# Altium PCB GameBoard_V1I1_Phase1.PcbDoc (part 9 of 18)
Units mm, origin at the board's own origin, x right, y up, seen from the top; angles counter-clockwise.
Board outline 182 x 70.2 mm, 12 copper layers (L1, L2, L3, L4, L5 (PWR), L6 (PWR), L7 (PWR), L8 (PWR), L9, L10, L11, L12), stack 2.079 mm thick; 1542 components, 1068 nets, 5447 pads, 3805 vias.
Unrouted connection lines stored in the file: 2.
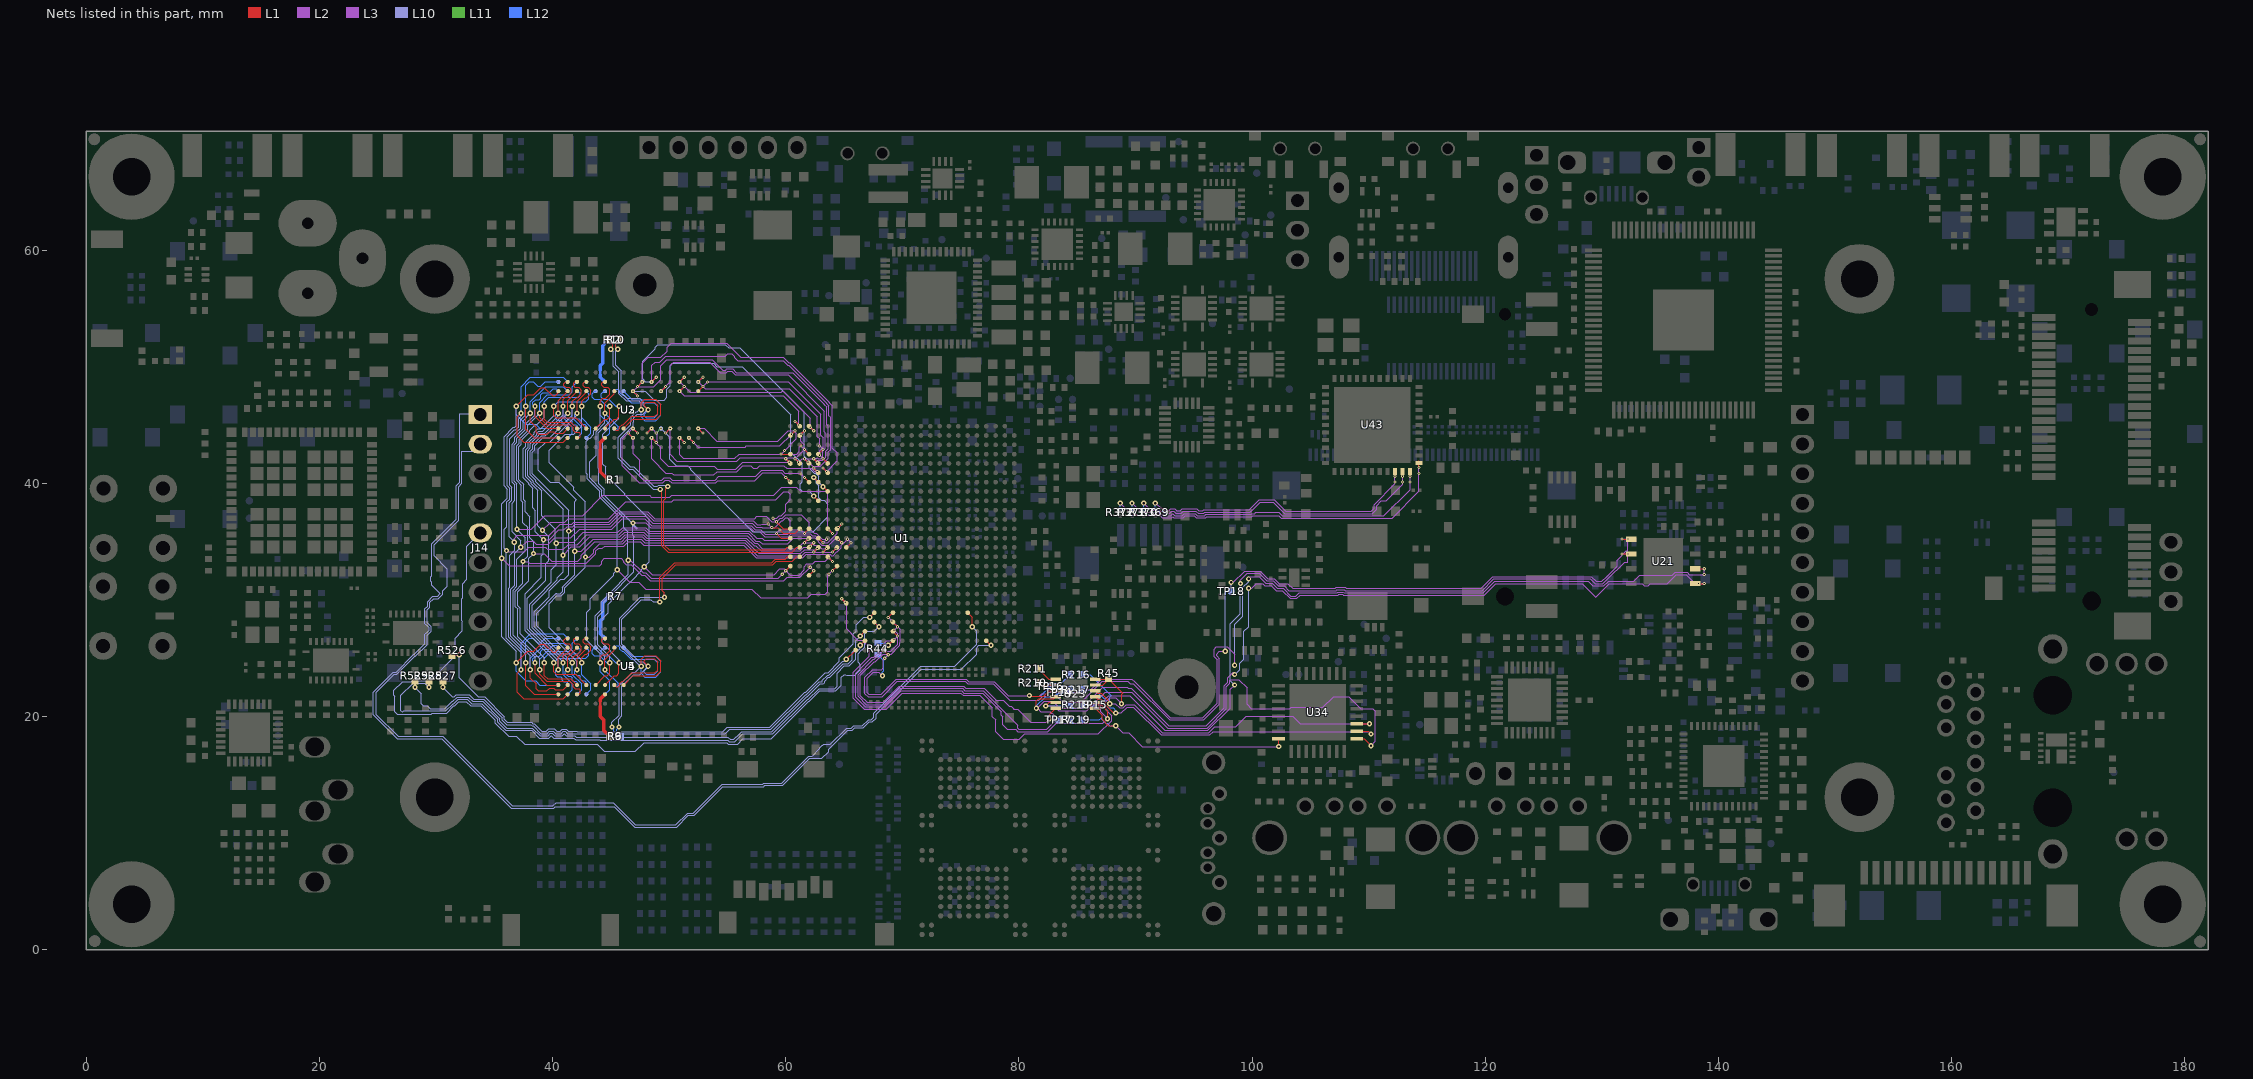
[diagram p19: the nets of this part, all layers, seen from the top]

## Via types
v1: diameter 0.45, hole 0.2, L1 to L12, 1937 vias
v2: diameter 0.45, hole 0.2, L1 to L12, tented both sides, 1004 vias
v3: diameter 0.27, hole 0.1, L1 to L2, 337 vias
v4: diameter 0.27, hole 0.1, L2 to L3, 335 vias
v5: diameter 0.27, hole 0.1, L10 to L11, 96 vias
v6: diameter 0.27, hole 0.1, L11 to L12, 94 vias
v7: diameter 0.27, hole 0.1, L3 to L5 (PWR), 2 vias

## Nets (pads, with @x,y where several pads share a name; then routed paths per layer and width w, separated by ;. In a path a pad name is that pad's centre, name@x,y a point inside that pad or via, vN(x,y) a via of type N, cw(c..) or ccw(c..) an arc to the next point about the centre after c; other vN are vias at no path point) (continued)
CSPI1_CS1: J14.5 U1.T22 | length 71.1
  L1 w0.1: U1.T22@67.6,28.1 v2(68,27.7)
  L10 w0.1: J14.5@33.8,35.74 32.65,34.59 32.65,31.75 32.3,31.4 32.3,30.2 32.2,30.1 32.2,28.213 32.275,28.138 32.275,27.355 31.64,26.721 31.64,25.775 31.479,25.613 31.479,25.04 29.507,23.068 27.965,23.068 27.877,22.98 27.146,22.98 26.4,22.234 26.4,21.83 26.475,21.755 26.475,20.425 26.7,20.2 29.583,20.2 29.673,20.289 30.376,20.289 30.383,20.282 30.931,20.282 31.548,20.9 31.604,20.9 31.979,21.275 32.621,21.275 32.996,20.9 33.866,20.9 35.103,19.663 35.103,19.425 36.228,18.3 36.9,18.3 37.6,17.6 43.817,17.6 44.417,17 47.104,17 47.872,17.768 54.956,17.768 55.085,17.639 55.873,17.639 56.334,18.1 58.766,18.1 61.956,21.289 62.024,21.289 62.938,22.204 64.281,22.204 64.775,22.697 64.775,23.366 65.009,23.6 65.17,23.6 65.245,23.525 65.925,23.525 66.4,24 66.4,24.455 66.2,24.655 66.2,25.383 66.542,25.725 66.555,25.725 66.775,25.945 66.775,27.075 67,27.3 67.6,27.3 v2(68,27.7)
CSPI1_MISO: J14.2 U1.F21 | length 94.5
  L1 w0.093: U1.F21@75.6,28.9 76,28.5 v2(76,27.7)
  L10 w0.093: J14.2@33.8,43.36 33.14,42.7 32.189,42.7 32.189,39.962 31.907,39.68 31.907,36.804 29.8,34.697 29.8,33.826 30.95,32.676 30.95,31.148 30.535,30.734 30.535,30.426 30.174,30.064 29.766,30.064 29.436,29.734 29.436,29.326 29.207,29.098 29.207,28.091 29.565,27.734 29.565,27.266 29.207,26.909 29.207,26.115 28.195,25.103 28.152,25.103 26.619,23.57 26.399,23.57 24.845,22.016 24.845,20.199 26.751,18.293 30.58,18.293 36.544,12.329 40.03,12.329 40.309,12.607 45.215,12.607 47.115,10.707 50.58,10.707 51.58,11.707 52.08,11.707 54.54,14.167 58.021,14.167 58.13,14.276 59.66,14.276 61.978,16.593 62.266,16.593 62.929,17.256 62.929,17.304 63.146,17.522 63.194,17.522 63.273,17.6 63.827,17.6 65.238,19.01 65.642,19.01 65.842,19.21 66.583,19.21 67.101,19.729 67.354,19.729 67.572,19.946 67.572,20.254 67.563,20.263 71.6,24.3 74.5,24.3 76.4,26.2 76.4,27.3 v2(76,27.7)
CSPI1_MOSI: J14.1 U1.D24 | length 96.8
  L1 w0.093: U1.D24@77.2,26.5 v2(77.6,26.1)
  L10 w0.093: J14.1@33.8,45.9 31.996,45.9 31.996,40.042 31.714,39.76 31.714,36.884 29.596,34.767 29.596,33.417 29.607,33.406 29.607,32.032 29.529,31.954 29.529,31.646 29.607,31.568 29.607,31.293 30.342,30.558 30.342,30.506 30.094,30.257 29.686,30.257 29.243,29.814 29.243,29.406 29.014,29.178 29.014,27.985 29.127,27.872 29.154,27.872 29.372,27.654 29.372,27.346 29.154,27.129 29.127,27.129 29.014,27.015 29.014,26.195 28.115,25.296 28.072,25.296 26.539,23.763 26.319,23.763 24.6,22.044 24.6,20.171 26.671,18.1 30.5,18.1 36.464,12.136 40.11,12.136 40.246,12.272 40.439,12.272 45.278,12.272 47.036,10.514 50.66,10.514 51.66,11.514 52.16,11.514 54.62,13.974 58.101,13.974 58.21,14.083 59.74,14.083 62.057,16.4 63.075,16.4 63.672,16.996 63.672,17.171 65.317,18.817 65.722,18.817 65.922,19.017 66.663,19.017 67.181,19.536 67.434,19.536 67.765,19.866 67.765,20.192 71.608,24.035 75.073,24.035 76.39,25.352 76.39,25.917 76.573,26.1 v2(77.6,26.1)
CSPI2_RXD: R529.1 U1.U23 | length 47.6
  L1 w0.093: v2(66.4,26.9) U1.U23@66.8,27.3
  L1 w0.1: v1(28.2,22.5) R529.1@28.2,23.1
  L10 w0.093: v1(28.2,22.5) 28.729,21.971 28.729,21.1 28.9,20.929 29.243,20.929 29.5,20.672 29.505,20.672 29.512,20.679 30.538,20.679 30.545,20.672 30.769,20.672 31.387,21.289 31.443,21.289 31.818,21.664 32.782,21.664 33.157,21.289 34.027,21.289 35.493,19.824 35.493,19.586 36.086,18.993 38.28,18.993 38.93,18.343 39.614,18.343 39.82,18.549 39.98,18.549 40.186,18.343 40.814,18.343 41,18.529 41.186,18.343 41.916,18.343 42.023,18.236 55.039,18.236 55.246,18.028 55.554,18.028 55.772,18.246 55.772,18.272 55.797,18.272 56.219,18.694 58.809,18.694 61.794,21.679 61.862,21.679 62.973,22.789 63.217,22.789 63.335,22.908 63.335,23.034 63.666,23.364 63.792,23.364 64.956,24.529 65.354,24.529 65.7,24.875 65.7,25.5 65.993,25.793 65.993,26.493 v2(66.4,26.9)
CSPI2_TXC: R526.1 U1.T21 | length 45.8
  L1 w0.093: v2(67.2,28.5) U1.T21@67.6,28.9
  L1 w0.1: R526.1@31.4,25.3 v1(32,25.3)
  L10 w0.093: v1(32,25.3) 32,23.301 33.626,21.675 34.187,21.675 35.879,19.984 35.879,19.746 36.125,19.5 38.2,19.5 38.321,19.379 38.44,19.379 39.09,18.728 39.454,18.728 39.66,18.935 40.14,18.935 40.346,18.728 40.654,18.728 40.84,18.915 41.16,18.915 41.346,18.728 42.076,18.728 42.111,18.693 54.593,18.693 54.98,19.08 58.65,19.08 61.635,22.065 61.703,22.065 63.388,23.75 63.632,23.75 64.6,24.719 64.6,25.027 65.8,26.227 65.8,27.1 66.029,27.328 66.029,27.854 66.675,28.5 v2(67.2,28.5)
CSPI2_TXD: R528.1 U1.U24 | length 51.7
  L1 w0.093: v2(66.4,26.1) U1.U24@66.8,26.5
  L1 w0.1: v1(29.4,22.5) R528.1@29.4,23.1
  L10 w0.093: v1(29.4,22.5) 29.028,22.871 28.046,22.871 27,21.825 27,20.5 27.104,20.396 27.158,20.396 27.24,20.479 29.585,20.479 29.592,20.486 30.458,20.486 30.465,20.479 30.849,20.479 31.467,21.096 31.523,21.096 31.898,21.471 32.702,21.471 33.077,21.096 33.947,21.096 35.3,19.744 35.3,19.506 36.006,18.8 38.2,18.8 38.851,18.15 39.694,18.15 39.9,18.356 40.106,18.15 41.836,18.15 41.972,18.014 44.047,18.014 44.089,17.971 55.03,17.971 55.166,17.835 55.634,17.835 56.299,18.501 58.889,18.501 61.874,21.486 61.942,21.486 62.856,22.4 64.2,22.4 64.4,22.6 64.4,23.7 65.036,24.336 65.434,24.336 66.004,24.905 66.004,25.464 66.4,25.861 v2(66.4,26.1)
CSPI2_TXFS: R527.1 U1.V25 | length 41.3
  L1 w0.093: v2(65.2,24.9) U1.V25@66,25.7
  L1 w0.1: v1(30.6,22.5) R527.1@30.6,23.1
  L10 w0.093: v1(30.6,22.5) 31.4,21.7 31.58,21.7 31.738,21.857 32.862,21.857 33.237,21.482 34.107,21.482 35.686,19.904 35.686,19.666 36.059,19.293 38.134,19.293 38.241,19.186 38.36,19.186 39.01,18.536 39.534,18.536 39.74,18.742 40.06,18.742 40.266,18.536 40.734,18.536 40.92,18.722 41.08,18.722 41.266,18.536 41.996,18.536 42.032,18.5 54.8,18.5 55.187,18.887 58.729,18.887 61.715,21.872 61.783,21.872 62.893,22.982 63.137,22.982 63.143,22.988 63.143,23.114 63.586,23.557 63.712,23.557 64.876,24.721 65.022,24.721 v2(65.2,24.9)
CSPI3_1DIR: R211.1 U23.2 | length 1.8
  L1 w0.1: R211.1@81.7,24.1 81.7,24.07 82.57,23.2 U23.2@83.15,23.2
CSPI3_2DIR: R210.1 U23.3 | length 1.5
  L1 w0.1: R210.1@81.7,22.9 81.9,22.7 U23.3@83.15,22.7
CSPI3_CLK: R44.2 R216.2 TP16.1 U21.6 U23.4 | length 103.7
  L1 w0.093: v1(80.9,21.8) 80.972,21.728 82.128,21.728 82.6,22.2 U23.4@83.15,22.2
  L1 w0.1: U21.6@138,32.67 v3(138.775,32.67)
  L3 w0.093: v2(68.3,23.5) 68,23.8 67.526,23.8 66.997,23.27 66.997,22.046 67.142,21.9 68.198,21.9 69.5,23.202 75.498,23.202 75.7,23 77.901,23 79.101,21.8 v1(80.9,21.8) 80.972,21.728 81.754,21.728 81.971,21.946 82.346,21.946 82.472,22.072 85.071,22.072 85.307,22.307 86.173,22.307 87.073,23.207 89.693,23.207 89.889,23.011 93,19.9 95.778,19.9 97,21.122 97,24.868 96.759,25.109 96.759,25.785 96.946,25.971 97.854,25.971 98.5,25.325 v1(98.5,24.4)
  L3 w0.1: v1(99.7,31.8) 99.7,32 100.603,32 101.178,31.425 101.723,31.425 102.152,30.996 102.664,30.996 103.336,30.325 103.755,30.325 104.03,30.6 107.287,30.6 107.362,30.675 107.838,30.675 107.913,30.6 119.817,30.6 120.817,31.6 128.809,31.6 129.209,31.2 130.167,31.2 130.567,31.6 132.749,31.6 133.249,32.1 136.017,32.1 136.287,32.37 137.313,32.37 137.513,32.17 v4(138.775,32.17)
  L10 w0.093: v1(98.5,24.4) 98.5,27.9 99.196,28.597 99.196,31.071 99.7,31.575 v1(99.7,31.8)
  L2 w0.1: v4(138.775,32.17) v3(138.775,32.67)
  L12 w0.093: R44.2@67.9,25.3 68.429,24.771 68.429,23.928 68.3,23.8 v2(68.3,23.5) ; v1(80.9,21.8) 80.972,21.728 81.828,21.728 82.95,22.85 83.65,22.85 R216.2@84.4,23.6
CSPI3_CLK_R: R44.1 U1.P24 | length 1.5
  L1 w0.1: v2(68.8,26.1) U1.P24@69.2,26.5
  L12 w0.1: R44.1@67.9,26.3 68.6,26.3 v2(68.8,26.1)
CSPI3_CS0: R219.2 TP17.1 U1.P21 U23.7 | length 31.2
  L1 w0.093: v3(68.8,28.5) U1.P21@69.2,28.9 ; v1(82.6,19.8) 82.6,20.15 U23.7@83.15,20.7
  L3 w0.1: v4(69.1,28.2) 69.815,27.485 69.815,26.343 69.8,26.328 69.8,26.1 69.059,25.359 68.355,25.359 67.696,24.7 67.583,24.7 66.4,23.517 66.4,21.799 66.98,21.218 68.36,21.218 69.747,22.605 75.251,22.605 75.453,22.404 77.044,22.404 78.044,21.404 78.654,21.404 79.182,20.875 79.355,20.875 79.575,20.655 79.575,20.625 79.905,20.625 81.005,19.525 82.325,19.525 v1(82.6,19.8) v1@82.47,19.8
  L2 w0.1: v3(68.8,28.5) v4(69.1,28.2)
  L12 w0.1: v1@82.7,19.7 v1(82.6,19.8) 84.3,19.8 R219.2@84.4,19.7
CSPI3_CS2: TP18.1 U1.R25 U21.1 | length 91.4
  L1 w0.093: U1.R25@68.4,25.7 v3(68.8,25.3)
  L1 w0.1: v3(131.725,35.21) U21.1@132.5,35.21
  L3 w0.1: v4(68.5,25) 68.375,24.875 68.375,24.175 68.225,24.025 67.474,24.025 66.8,23.351 66.8,21.964 67.061,21.703 68.279,21.703 69.581,23.005 75.417,23.005 75.619,22.804 77.819,22.804 79.223,21.4 81.703,21.4 82.053,21.75 83.25,21.75 83.8,21.2 85.344,21.2 87.154,23.011 89.334,23.011 89.53,22.814 89.808,22.814 92.919,19.704 95.859,19.704 97.196,21.041 97.196,24.95 96.956,25.19 96.956,25.356 97.2,25.6 v1(97.7,25.6) ; v1(98.2,31.5) 98.387,31.5 99.362,32.475 100.694,32.475 101.344,31.825 101.889,31.825 102.317,31.396 103.073,31.396 103.47,31 107.121,31 107.196,31.075 108.004,31.075 108.079,31 119.651,31 120.651,32 129.1,32 129.5,31.6 130.001,31.6 130.401,32 130.417,32 131.3,32.883 131.3,33.418 132.107,34.225 132.208,34.225 132.225,34.242 v4(132.225,35.21)
  L10 w0.1: v1(97.7,25.6) 97.7,30.6 98.2,31.1 v1(98.2,31.5)
  L2 w0.1: v4(68.5,25) v3(68.8,25.3) ; v3(131.725,35.21) v4(132.225,35.21)
  L12 w0.1: TP18.1@98.2,30.743 v1(98.2,31.5)
CSPI3_MCU_CLK: R216.1 U23.13 U34.19 | length 31.3
  L1 w0.093: U23.13@86.55,22.2 86.763,21.987 87.061,21.987 87.8,21.247 v1(87.8,21.1) ; U34.19@108.975,19.375 v1(110.075,19.375)
  L3 w0.093: v1(87.8,21.1) 88.275,21.1 88.646,20.729 88.954,20.729 89.218,20.993 89.893,20.993 92.275,18.611 96.295,18.611 96.791,19.107 98.58,19.107 99.501,20.028 103.472,20.028 104.125,19.375 v1(110.075,19.375)
  L12 w0.093: R216.1@85.4,23.6 86.1,23.6 87.9,21.8 87.8,21.7 v1(87.8,21.1)
CSPI3_MCU_CS0: R219.1 U23.10 U34.8 | length 21.4
  L1 w0.093: U23.10@86.55,20.7 87.128,20.122 87.128,19.746 87.675,19.2 v1(88.3,19.2) ; v1(102.275,17.425) U34.8@102.275,18.075
  L3 w0.1: v1(88.3,19.2) 88.9,18.6 89.4,18.6 90.596,17.404 102.254,17.404 v1(102.275,17.425)
  L12 w0.1: R219.1@85.4,19.7 86.9,19.7 87.1,19.9 87.125,19.875 87.125,19.745 87.445,19.425 87.575,19.425 87.843,19.157 87.911,19.225 87.937,19.2 v1(88.3,19.2)
CSPI3_MCU_ENn: R45.1 U1.W20 U23.14 U23.15 | length 46.1
  L1 w0.093: v3(64.8,30.1) U1.W20@65.2,29.7 ; U23.14@86.55,22.7 87.2,22.7 R45.1@87.7,23.2 ; U23.15@86.55,23.2 R45.1@87.7,23.2 ; v1(88.8,21.1) 88.8,21.9 88.9,22 R45.1@87.7,23.2
  L3 w0.093: v4(65.1,29.8) 65.228,29.671 65.228,27.549 65.229,27.546 65.619,27.156 65.619,27.083 66.173,26.529 66.57,26.529 67.182,25.917 67.182,25.182 65.8,23.8 65.8,21.555 66.733,20.622 68.607,20.622 69.994,22.009 75.004,22.009 75.206,21.807 76.66,21.807 77.729,20.739 77.729,19.971 78,19.7 78,18.7 78.672,18.029 80.028,18.029 80.5,18.5 86.825,18.5 87.972,19.646 87.972,20.054 87.428,20.597 87.428,21.254 87.646,21.472 87.649,21.472 87.775,21.597 88.303,21.597 v1(88.8,21.1)
  L2 w0.1: v3(64.8,30.1) v4(65.1,29.8)
CSPI3_MCU_MISO: R218.1 U23.6 U34.17 | length 43.9
  L1 w0.093: v1(82.3,20.9) 82.6,21.2 U23.6@83.15,21.2 ; U34.17@108.975,18.075 109.625,18.075 v1(110.2,17.5)
  L3 w0.093: v1(82.3,20.9) 83.039,20.9 83.436,20.503 85.804,20.503 87.4,22.1 89.679,22.1 92.775,19.004 96.132,19.004 97.793,20.665 97.793,22.557 98.096,22.861 98.096,23.095 98.173,23.172 98.854,23.172 99.572,22.454 99.572,21.028 99.925,20.675 103.25,20.675 103.346,20.772 106.071,20.772 107,21.7 108.3,21.7 109.329,20.671 110.354,20.671 110.572,20.454 110.572,17.871 v1(110.2,17.5)
  L12 w0.093: v1(82.3,20.9) 84.1,20.9 84.2,20.8 R218.1@84.4,21
CSPI3_MCU_MOSI: R217.1 U23.12 U34.18 | length 31.1
  L1 w0.093: U23.12@86.55,21.7 86.763,21.487 87.061,21.487 87.428,21.119 87.428,20.946 88.075,20.3 v1(88.3,20.3) ; U34.18@108.975,18.725 109.975,18.725 v1(110.2,18.5)
  L3 w0.093: v1(88.3,20.3) 88.798,20.3 89.298,20.8 89.813,20.8 92.196,18.418 96.375,18.418 96.657,18.7 110,18.7 v1(110.2,18.5)
  L12 w0.093: R217.1@85.4,22.3 86.5,22.3 87.428,21.372 87.428,20.946 87.646,20.729 88.072,20.729 88.3,20.5 v1(88.3,20.3)
CSPI3_MISO: R218.2 TP15.1 U1.P23 U21.2 U23.11 | length 102
  L1 w0.093: U1.P23@69.2,27.3 v3(69.6,26.9) ; U23.11@86.55,21.2 86.763,20.987 87.061,20.987 87.6,20.447 v1(87.6,19.8)
  L1 w0.1: v3(131.725,33.94) U21.2@132.5,33.94
  L3 w0.1: v4(69.3,26.6) 69.03,26.6 68.905,26.475 68.645,26.475 68.425,26.255 68.425,25.995 67.53,25.1 67.4,25.1 65.997,23.697 65.997,21.636 66.815,20.818 68.526,20.818 69.912,22.205 75.086,22.205 75.287,22.004 76.878,22.004 78.482,20.4 78.482,20.117 78.6,19.999 78.6,19.3 79,18.9 79.717,18.9 79.917,18.7 82.47,18.7 83.195,19.425 85.525,19.425 85.55,19.4 87.2,19.4 v1(87.6,19.8) 87,20.4 87,21.103 87.565,21.668 87.568,21.668 87.7,21.8 89.5,21.8 92.493,18.807 96.213,18.807 98.125,20.719 98.125,22.325 v1(98.5,22.7) ; v1(99,31.4) 99,31.7 99.575,32.275 100.611,32.275 101.261,31.625 101.806,31.625 102.235,31.196 102.747,31.196 103.144,30.8 107.204,30.8 107.279,30.875 107.921,30.875 107.996,30.8 119.734,30.8 120.734,31.8 129.017,31.8 129.417,31.4 130.084,31.4 130.484,31.8 130.5,31.8 131.941,33.241 132.225,33.241 v4(132.225,33.94)
  L10 w0.1: v1(98.5,22.7) 98.125,23.075 98.125,27.942 99,28.817 v1(99,31.4)
  L2 w0.1: v4(69.3,26.6) v3(69.6,26.9) ; v3(131.725,33.94) v4(132.225,33.94)
  L12 w0.1: R218.2@85.4,21 TP15.1@86.4,21 87.1,21 87.232,20.868 87.232,20.865 87.565,20.532 87.568,20.532 87.6,20.5 v1(87.6,19.8)
CSPI3_MOSI: R217.2 TP14.1 U1.P22 U21.5 U23.5 | length 110.4
  L1 w0.093: U1.P22@69.2,28.1 v3(69.6,27.7) ; v1(81.5,20.7) 81.5,21.339 81.696,21.535 82.985,21.535 U23.5@83.15,21.7
  L1 w0.1: U21.5@138,31.4 v3(138.775,31.4)
  L3 w0.1: v4(69.3,27.4) 69.6,27.1 69.6,26.183 69.017,25.6 68.313,25.6 67.613,24.9 67.5,24.9 66.2,23.6 66.2,21.716 66.898,21.018 68.443,21.018 69.83,22.405 75.169,22.405 75.37,22.204 76.961,22.204 79.895,19.27 79.895,19.005 80,18.9 82.387,18.9 83.02,19.533 83.02,20.1 82.695,20.425 81.875,20.425 81.6,20.7 v1@81.57,20.7 ; v1(81.5,20.7) v1@81.57,20.7 ; v1(98.5,23.6) 98.5,23.696 98.396,23.8 97.9,23.304 97.9,22.942 97.596,22.639 97.596,20.746 96.051,19.2 92.856,19.2 89.642,22.414 89.365,22.414 89.279,22.5 87.21,22.5 85.41,20.7 83.517,20.7 82.921,21.297 82.166,21.297 v1@81.57,20.7 ; v1(99.7,31) 99.97,31 100.345,31.375 100.895,31.375 100.92,31.4 101.095,31.225 101.64,31.225 102.069,30.796 102.581,30.796 103.253,30.125 103.838,30.125 104.113,30.4 107.37,30.4 107.445,30.475 107.755,30.475 107.83,30.4 119.9,30.4 120.9,31.4 128.3,31.4 129.475,30.225 130.65,31.4 133.47,31.4 133.645,31.225 133.955,31.225 134.13,31.4 135.6,31.4 136.37,32.17 137.23,32.17 138,31.4 v4(138.275,31.4)
  L10 w0.1: v1(98.5,23.6) 98.925,24.025 98.925,24.555 99.3,24.93 99.3,27.3 99.7,27.7 v1(99.7,31)
  L2 w0.1: v4(69.3,27.4) v3(69.6,27.7) ; v4(138.275,31.4) v3(138.775,31.4)
  L12 w0.1: v1(81.5,20.7) 81.5,20.9 82.3,21.7 83,21.7 TP14.1@83.4,22.1 84.2,22.1 R217.2@84.4,22.3
CTP_INT#: R371.1 U43.11 | length 28
  L1 w0.1: v3(113.55,40.6) U43.11@113.55,41.2
  L3 w0.1: v1(89.7,38.3) 90.5,37.5 91.983,37.5 92.083,37.4 92.204,37.4 92.379,37.225 93.021,37.225 93.196,37.4 93.204,37.4 93.379,37.225 94.021,37.225 94.196,37.4 95.104,37.4 95.279,37.225 95.921,37.225 96.021,37.325 98.121,37.325 99.908,37.325 99.983,37.4 100.217,37.4 100.317,37.5 102.283,37.5 102.583,37.2 111.3,37.2 113.55,39.45 v4(113.55,40.1)
  L2 w0.1: v4(113.55,40.1) v3(113.55,40.6)
  L12 w0.1: R371.1@89.7,37.765 v1(89.7,38.3)
CTP_RST#: R372.1 U43.12 | length 30.6
  L1 w0.1: v3(114.3,41.35) U43.12@114.3,41.75 114.3,41.95
  L3 w0.1: v1(88.7,38.3) 89.7,37.3 91.9,37.3 92,37.2 92.121,37.2 92.296,37.025 93.104,37.025 93.2,37.121 93.296,37.025 94.104,37.025 94.279,37.2 95.021,37.2 95.196,37.025 96.004,37.025 96.104,37.125 99.991,37.125 100.066,37.2 102.3,37.2 102.5,37 112,37 114.3,39.3 v4(114.3,40.85)
  L2 w0.1: v4(114.3,40.85) v3(114.3,41.35)
  L12 w0.1: R372.1@88.7,37.765 v1(88.7,38.3)
CTP_SCL: R369.1 U43.9 | length 24.9
  L1 w0.1: v3(112.25,40.6) U43.9@112.25,41 U43.9@112.25,41.2
  L3 w0.1: v1(91.7,38.3) 91.749,38.3 92.249,37.8 92.37,37.8 92.545,37.625 92.855,37.625 93.03,37.8 93.37,37.8 93.545,37.625 93.855,37.625 94.03,37.8 95.27,37.8 95.445,37.625 95.755,37.625 95.855,37.725 99.742,37.725 100.592,38.575 101.908,38.575 102.883,37.6 110.23,37.6 110.475,37.845 110.475,38.175 112.25,39.95 v4(112.25,40.1)
  L2 w0.1: v4(112.25,40.1) v3(112.25,40.6)
  L12 w0.1: R369.1@91.7,37.765 v1(91.7,38.3)
CTP_SDA: R370.1 U43.10 | length 26.7
  L1 w0.1: v3(112.9,40.6) U43.10@112.9,41.2
  L3 w0.1: v1(90.7,38.3) 91.3,37.7 92.066,37.7 92.166,37.6 92.287,37.6 92.462,37.425 92.938,37.425 93.113,37.6 93.287,37.6 93.462,37.425 93.938,37.425 94.113,37.6 95.187,37.6 95.362,37.425 95.838,37.425 95.938,37.525 99.825,37.525 99.9,37.6 99.944,37.6 100.719,38.375 101.825,38.375 102.8,37.4 110.313,37.4 110.675,37.762 110.675,38.092 111.083,38.5 111.5,38.5 112.9,39.9 v4(112.9,40.1)
  L2 w0.1: v4(112.9,40.1) v3(112.9,40.6)
  L12 w0.1: R370.1@90.7,37.765 v1(90.7,38.3)
DRAM0_ZQ: R1.2 U2.L8 | length 4.1
  L1 w0.2: 44.1,42.899 44.1,43.5
  L1 w0.3: 44.1,42.899 44.1,41 R1.2@44.8,40.3 ; 44.1,43.5 U2.L8@44.5,43.9
DRAM1_ZQ: R2.2 U3.L8 | length 4.1
  L12 w0.2: 44.1,49.299 44.1,49.701
  L12 w0.3: 44.1,49.299 44.1,49.1 U3.L8@44.5,48.7 ; 44.1,49.701 44.1,50.1 44.3,50.3 44.3,51.8 R2.2@44.8,52.3
DRAM2_ZQ: R6.2 U4.L8 | length 4.1
  L1 w0.2: 44.1,20.899 44.1,21.301
  L1 w0.3: 44.1,20.899 44.1,20 44.4,19.7 44.4,18.8 R6.2@44.9,18.3 ; 44.1,21.301 44.1,21.5 U4.L8@44.5,21.9
DRAM3_ZQ: R7.2 U5.L8 | length 4.1
  L12 w0.2: 44.1,27.299 44.1,27.701
  L12 w0.3: 44.1,27.299 44.1,27.1 U5.L8@44.5,26.7 ; 44.1,27.701 44.1,28.2 44.3,28.4 44.3,29.7 R7.2@44.9,30.3
DRAM_A0: U1.AC14 U2.N3 U3.N3 U4.N3 U5.N3 | length 60
  L1 w0.093: v2(42.1,24) 42.1,25.017 42.9,25.817 U4.N3@42.9,25.9 ; v2(42.1,46) 42.1,47.017 42.9,47.817 U2.N3@42.9,47.9 ; U1.AC14@62,34.5 v3(62.4,34.9)
  L3 w0.1: v2(41.9,34.175) 42.45,34.175 43.475,35.2 45.858,35.2 46.258,35.6 47.762,35.6 48.062,35.3 56.631,35.3 57.281,34.65 57.45,34.65 57.9,34.2 61.228,34.2 61.553,34.525 62.025,34.525 v4(62.1,34.6)
  L10 w0.093: v2(42.1,24) 42.1,24.75 39.95,26.9 39.496,26.9 38.629,27.767 38.629,28.854 39.507,29.732 39.507,29.755 40.313,30.561 40.346,30.528 40.654,30.528 40.872,30.746 40.872,31.054 40.839,31.087 41.9,32.148 v2(41.9,34.175) 41.9,38.425 42.05,38.575 40.528,40.097 39.803,40.097 38.775,41.125 38.775,42.9 39.4,43.525 39.775,43.525 42.1,45.85 v2(42.1,46)
  L2 w0.1: v4(62.1,34.6) v3(62.4,34.9)
  L12 w0.093: v2(42.1,24) 42,24 41.9,23.9 41.9,23.683 42.058,23.525 42.292,23.525 42.391,23.426 42.391,23.191 42.537,23.046 42.771,23.046 42.9,22.917 U5.N3@42.9,22.7 ; v2(42.1,46) 42,46 41.9,45.9 41.9,45.683 42.058,45.525 42.292,45.525 42.391,45.426 42.391,45.191 42.537,45.046 42.771,45.046 42.9,44.917 U3.N3@42.9,44.7
DRAM_A1: U1.AB14 U2.P7 U3.P7 U4.P7 U5.P7 | length 69.3
  L1 w0.093: v2(39.3,24.6) 39.3,23.5 39.575,23.225 41.575,23.225 U4.P7@42.1,22.7 ; v2(39.3,46.6) 39.3,45.5 39.575,45.225 41.575,45.225 U2.P7@42.1,44.7 ; v3(62.4,34.1) U1.AB14@62.8,34.5
  L3 w0.1: v2(38.375,33.975) 39.294,33.975 39.944,33.325 42.175,33.325 42.45,33.6 42.45,33.83 43.62,35 45.941,35 46.341,35.4 47.679,35.4 47.979,35.1 56.549,35.1 57.199,34.45 57.225,34.45 57.675,34 61.311,34 61.626,34.315 62.615,34.315 v4(62.7,34.4)
  L10 w0.093: v2(39.3,24.6) 39.3,25.025 37.225,27.1 37.225,29.275 37,29.5 37,30.682 37.95,31.632 37.95,33.55 v2(38.375,33.975) 38.375,35.002 38.061,35.316 38.061,37.137 37.658,37.54 37.658,38.464 37.525,38.596 37.525,39.912 37.117,40.32 37.117,43.13 37.336,43.349 37.336,43.698 38.058,44.42 38.058,44.546 38.57,45.058 38.696,45.058 39.3,45.662 v2(39.3,46.6)
  L2 w0.1: v3(62.4,34.1) v4(62.7,34.4)
  L12 w0.093: v2(39.3,24.6) 39.3,25 39.675,25.375 42.192,25.375 42.375,25.558 42.375,25.75 42.225,25.9 U5.P7@42.1,25.9 ; v2(39.3,46.6) 39.3,47 39.675,47.375 42.192,47.375 42.375,47.558 42.375,47.75 42.225,47.9 U3.P7@42.1,47.9
DRAM_A2: U1.AA14 U2.P3 U3.P3 U4.P3 U5.P3 | length 61.3
  L1 w0.093: v2(41.3,24) 41.3,25.1 U4.P3@42.1,25.9 ; v2(41.3,46) 41.3,47.1 U2.P3@42.1,47.9 ; v3(63.2,34.1) U1.AA14@63.6,34.5
  L3 w0.1: v2(40.9,33.825) 41.625,34.55 42.35,34.55 43.2,35.4 45.776,35.4 46.176,35.8 47.845,35.8 48.145,35.5 56.714,35.5 57.364,34.85 57.55,34.85 58,34.4 61,34.4 61.5,34.9 62.203,34.9 62.385,34.718 62.385,34.715 62.415,34.685 62.818,34.685 63.103,34.4 v4(63.5,34.4)
  L10 w0.093: v2(41.3,24) 41.3,24.725 40.8,25.225 40.625,25.225 38.243,27.607 38.243,29.543 39.532,30.832 39.532,30.855 40.4,31.723 40.4,31.9 40.9,32.4 v2(40.9,33.825) 40.9,37.789 38.55,40.139 38.55,40.252 38.082,40.72 38.082,42.73 38.301,42.949 38.301,43.299 39.095,44.093 39.393,44.093 v2(41.3,46)
  L2 w0.1: v3(63.2,34.1) v4(63.5,34.4)
  L12 w0.093: v2(41.3,24) 41.2,24 41.1,23.9 41.1,23.683 41.337,23.446 41.571,23.446 41.684,23.333 41.684,23.099 41.762,23.021 41.996,23.021 42.1,22.917 U5.P3@42.1,22.7 ; v2(41.3,46) 41.2,46 41.1,45.9 41.1,45.683 41.337,45.446 41.571,45.446 41.684,45.333 41.684,45.099 41.762,45.021 41.996,45.021 42.1,44.917 U3.P3@42.1,44.7
DRAM_A3: U1.Y14 U2.N2 U3.N2 U4.N2 U5.N2 | length 64.4
  L1 w0.093: v2(42.5,24.6) 42.5,25.017 42.82,25.337 42.937,25.337 43.3,25.7 43.3,26 43.075,26.225 42.75,26.225 42.625,26.35 42.625,26.575 42.75,26.7 U4.N2@42.9,26.7 ; v2(42.5,46.6) 42.5,47.017 42.82,47.337 42.937,47.337 43.3,47.7 43.3,48 43.075,48.225 42.75,48.225 42.625,48.35 42.625,48.575 42.75,48.7 U2.N2@42.9,48.7 ; v3(64,34.1) U1.Y14@64.4,34.5
  L3 w0.1: v2(42.825,33.675) 43.167,33.675 43.525,34.033 43.525,34.288 44.037,34.8 46.024,34.8 46.424,35.2 47.596,35.2 47.896,34.9 56.466,34.9 57.566,33.8 61.394,33.8 61.687,34.093 63.993,34.093 v4(64.3,34.4)